# Altium PCB graviton.PcbDoc (part 10 of 15) (continued)
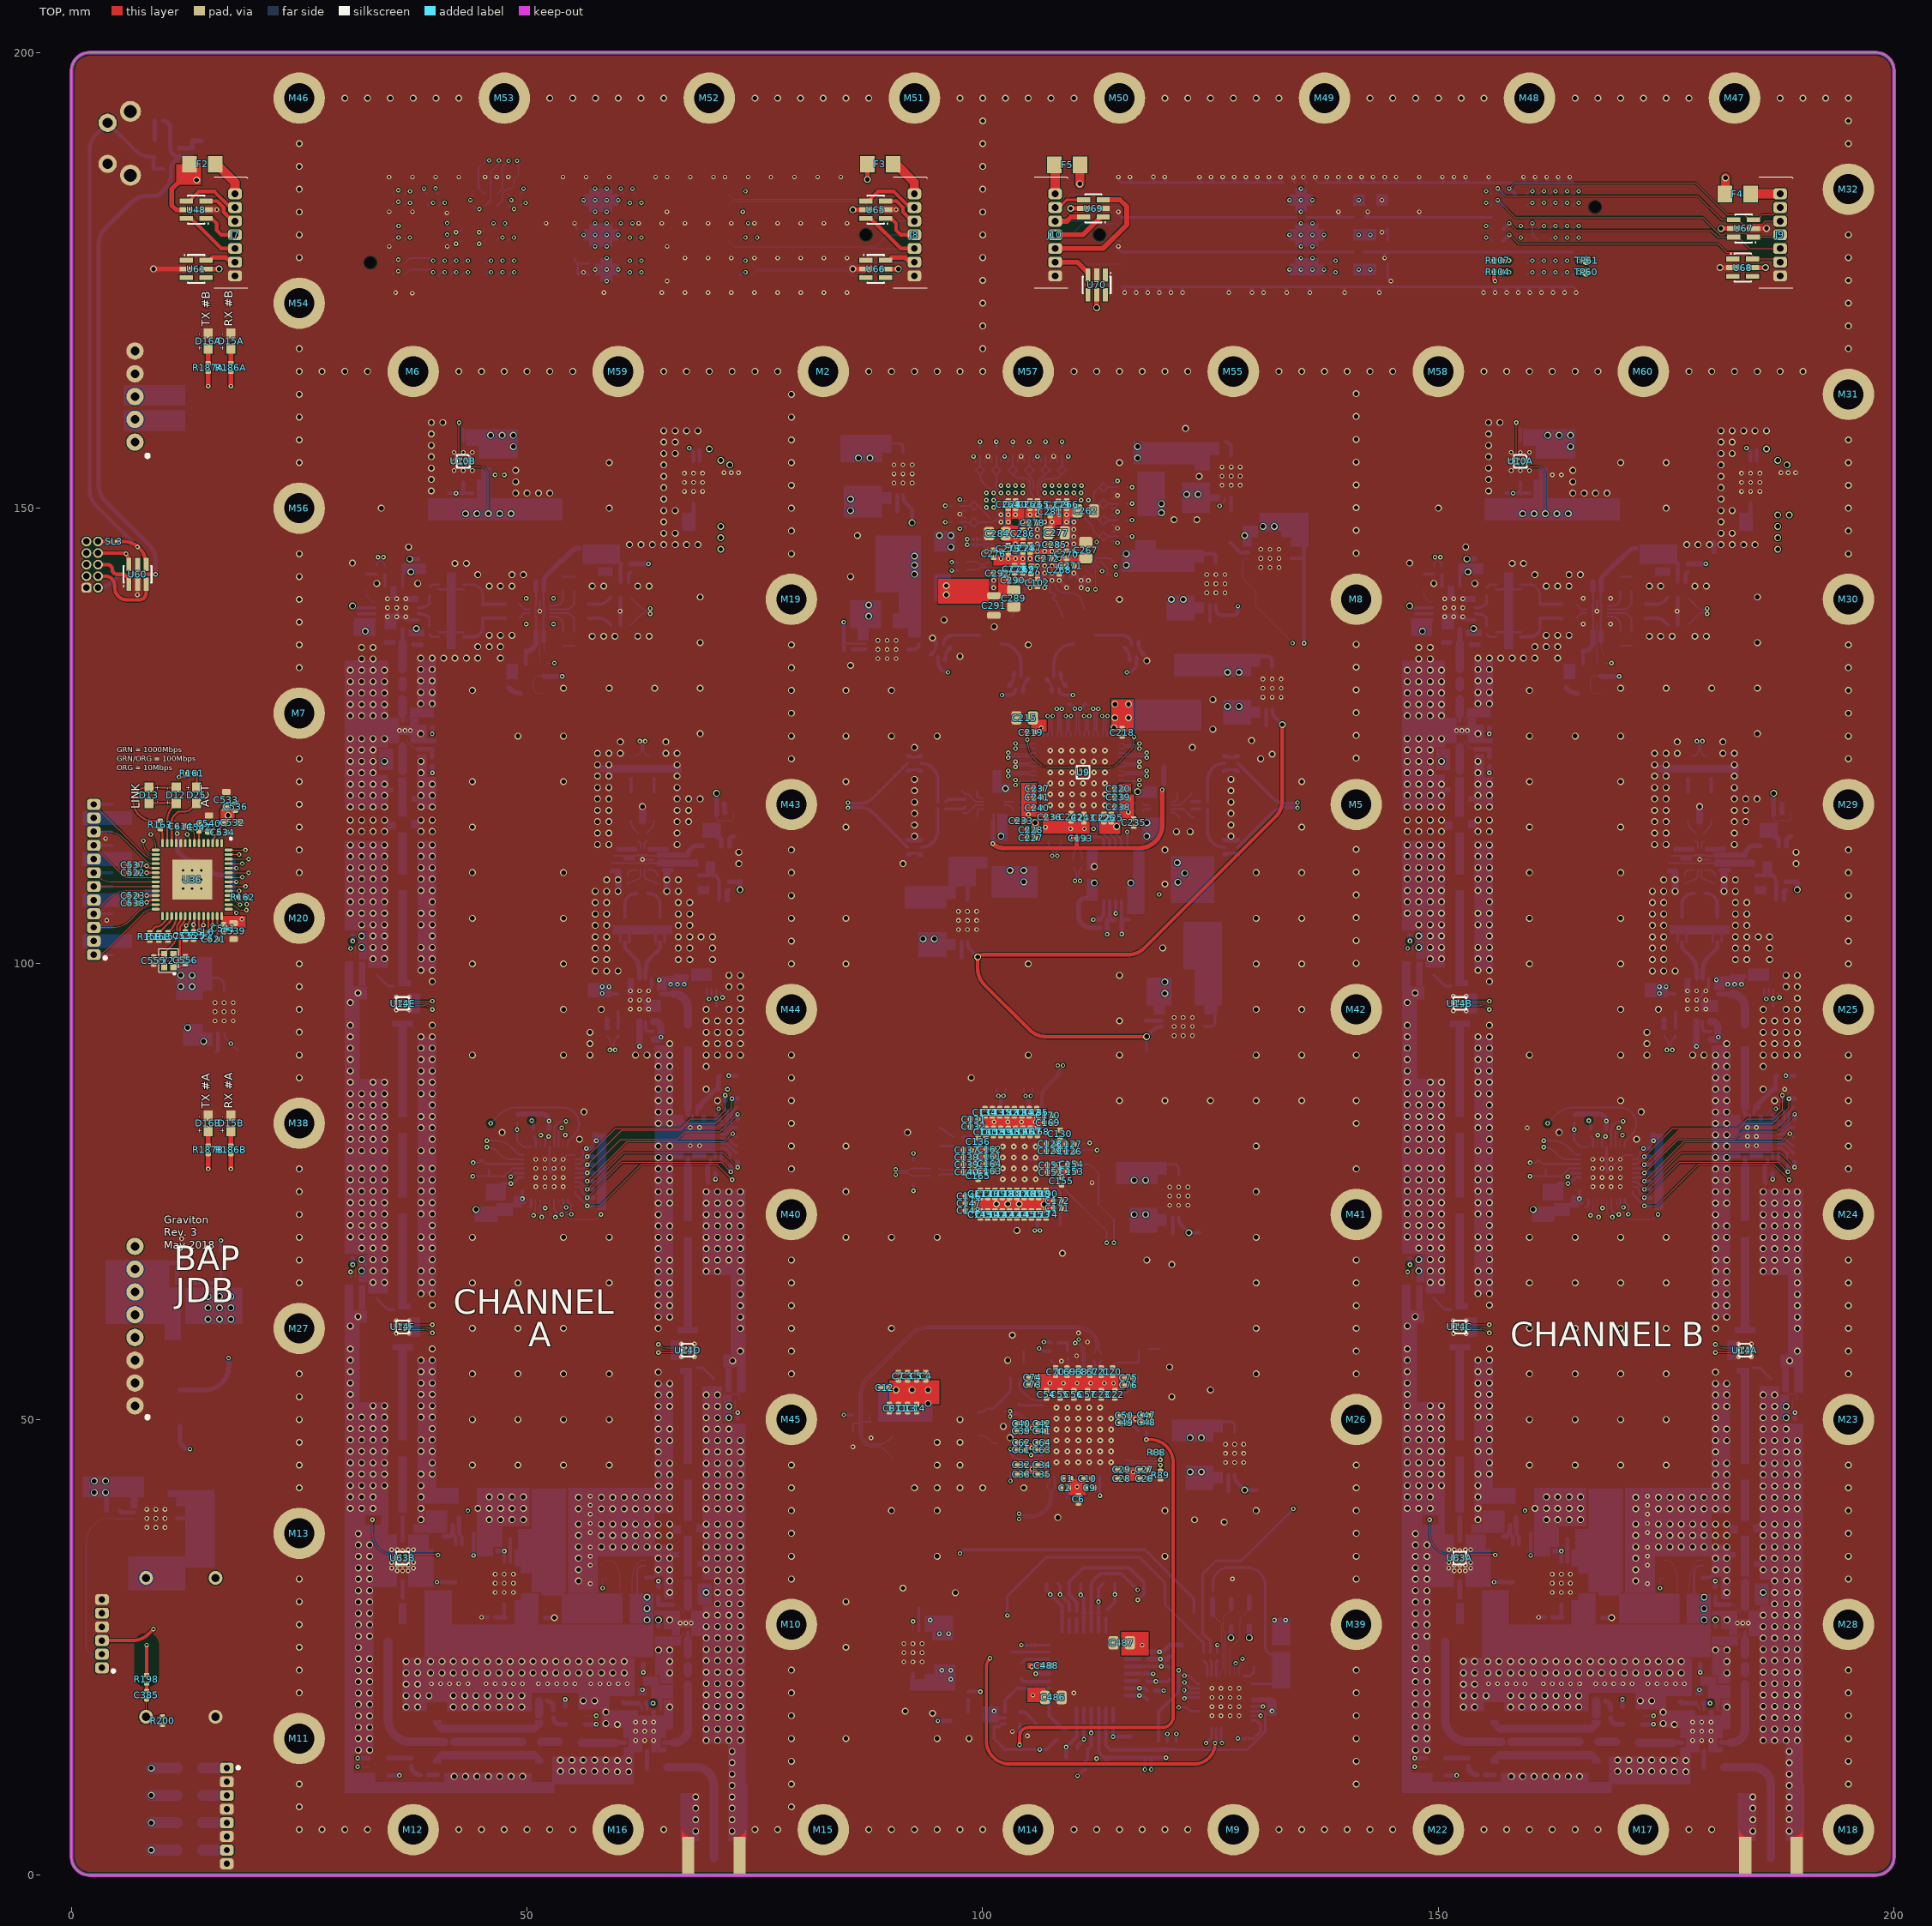
[diagram p0: TOP view]
## Nets (pads, with @x,y where several pads share a name; then routed paths per layer and width w, separated by ;. In a path a pad name is that pad's centre, name@x,y a point inside that pad or via, vN(x,y) a via of type N, cw(c..) or ccw(c..) an arc to the next point about the centre after c; other vN are vias at no path point) (continued)
NetC497B_2: C497B.2 U62B.14 | length 2.5
  BOT w0.4: U62B.14@48.15,34.375 C497B.2@48.15,36.9
NetC502A_2: C502A.2 C503A.2 L46A.2 U64A.12 | length 2.7
  BOT w0.2: L46A.2@178.225,18.87 178.225,18.8 178.65,18.375 U64A.12@178.65,18.128 U64A.12@178.65,18.118
  BOT w0.54: C503A.2@176.55,19 176.68,18.87 C502A.2@177.4,18.87 L46A.2@178.225,18.87
NetC502B_2: C502B.2 C503B.2 L46B.2 U64B.12 | length 2.7
  BOT w0.2: L46B.2@62.225,18.87 62.225,18.8 62.65,18.375 U64B.12@62.65,18.118
  BOT w0.54: C503B.2@60.55,19 60.68,18.87 C502B.2@61.4,18.87 L46B.2@62.225,18.87
NetC504A_1: C504A.1 U64A.2 | length 4.8
  BOT w0.49: 175.693,14.538 U64A.2@176.77,14.538
  BOT w0.914: C504A.1@172,14.538 175.693,14.538
NetC504A_2: C504A.2 MS1A.2 | length 2
  BOT w0.914: MS1A.2@167.543,14.638 C504A.2@169.5,14.638
NetC504B_1: C504B.1 U64B.2 | length 4.8
  BOT w0.49: 59.693,14.538 U64B.2@60.77,14.538
  BOT w0.914: C504B.1@56,14.538 59.693,14.538
NetC504B_2: C504B.2 MS1B.2 | length 2
  BOT w0.914: MS1B.2@51.543,14.638 C504B.2@53.5,14.638
NetC505A_2: C505A.2 C506A.2 D26A.2 R256A.1 U64A.16 | length 2.3
  BOT w0.29: C505A.2@180.62,18.9 180.65,18.87 U64A.16@180.65,18.128 U64A.16@180.65,18.118
  BOT w0.54: C505A.2@180.62,18.9 180.62,20.38
NetC505B_2: C505B.2 C506B.2 D26B.2 R256B.1 U64B.16 | length 2.3
  BOT w0.29: C505B.2@64.62,18.9 64.65,18.87 U64B.16@64.65,18.118
  BOT w0.54: C505B.2@64.62,18.9 64.62,20.38
NetC507A_1: C507A.1 U64A.28 | length 1.9
  BOT w0.49: C507A.1@179.15,11.757 C507A.1@179.15,11.857 U64A.28@179.15,13.447 U64A.28@179.15,13.657
NetC507B_1: C507B.1 U64B.28 | length 1.9
  BOT w0.49: C507B.1@63.15,11.757 U64B.28@63.15,13.657
NetC543_2: C543.2 C544.2 C545.2 P2.2
NetC546_2: C546.2 C547.2 C548.2 P2.5
NetC549_2: C549.2 C550.2 C551.2 P2.8
NetC552_2: C552.2 C553.2 C554.2 P2.11
NetD1_1: D1.1 R48.1 | length 1.5
  BOT w0.27: D1.1@108.5,71.35 R48.1@108.5,72.805
NetD2_1: D2.1 R49.1 | length 1.5
  BOT w0.25: D2.1@95.35,80 R49.1@96.805,80
NetD3_1: D3.1 R50.1 | length 1.8
  BOT w0.25: D3.1@95.35,82 R50.1@96.805,81
NetD12_2: D12.2 D13.1 R163.2 | length 9.4
  TOP w0.203: D13.1@8.525,119.35 8.25,119.35 ccw(c8.25,117.875) 6.775,117.875 ccw(c8.955,117.875) 8.955,115.695 R163.2@9.75,115.695 ; D13.1@8.9,119.35 D12.2@11.5,119.35
NetD15A_1: D15A.1 R186A.1 | length 1.6
  TOP w0.51: R186A.1@17.5,165.89 D15A.1@17.5,167.5
NetD15B_1: D15B.1 R186B.1 | length 1.7
  TOP w0.51: R186B.1@17.5,80 R186B.1@17.5,80.04 D15B.1@17.5,81.65
NetD16A_1: D16A.1 R187A.1 | length 1.6
  TOP w0.51: R187A.1@15,165.89 D16A.1@15,167.5
NetD16B_1: D16B.1 R187B.1 | length 1.7
  TOP w0.51: R187B.1@15,80 R187B.1@15,80.04 D16B.1@15,81.65
NetD25_1: D25.1 R161.2 | length 1.4
  TOP w0.203: D25.1@13.75,119.35 R161.2@13.75,120.75
NetF1_1: F1.1 J5.2 | length 2.2
  BOT w0.48: J5.2@2.92,141.27 ccw(c2.92,143.564) 4.542,141.942 F1.1@4.85,142.25
NetF2_1: F2.1 J7.1 | length 4.4
  TOP w1: F2.1@15.6,187.75 F2.1@15.775,187.75 15.95,187.75 17.95,185.75 J7.1@17.95,184.5
NetF3_1: F3.1 J8.1 | length 4.4
  TOP w1: F3.1@90.15,187.75 90.5,187.75 92.5,185.75 J8.1@92.5,184.5
NetF4_1: F4.1 J9.1 | length 3.3
  TOP w1: F4.1@184.25,184.475 184.275,184.5 J9.1@187.5,184.5
NetF5_1: F5.1 J10.1 | length 2.8
  TOP w1: F5.1@107.85,187.25 107.95,187.15 J10.1@107.95,184.5
NetF6_2: F6.2 J11.7 | length 2.7
  BOT w1.2: F6.2@14.4,2.75 J11.7@17.05,2.75
NetF7_2: F7.2 J11.5 | length 2.7
  BOT w1.2: F7.2@14.4,5.75 J11.5@17.05,5.75
NetF8_2: F8.2 J11.3 | length 2.7
  BOT w1.2: F8.2@14.4,8.75 J11.3@17.05,8.75
NetF9_2: F9.2 J11.1 | length 2.7
  BOT w1.2: F9.2@14.4,11.75 J11.1@17.05,11.75
NetJ5_10: J5.10 SL3.1 | length 1.4
  TOP w0.4: J5.10@2.92,146.35 SL3.1@4.335,146.35
NetL3A_2: L3A.2 R28A.2 U4A.4 U4A.5
NetL3B_2: L3B.2 R28B.2 U4B.4 U4B.5
NetL17A_2: L17A.2 L18A.1 U4A.20 U4A.21
NetL17B_2: L17B.2 L18B.1 U4B.20 U4B.21
NetMB1_2: MB1.2 Q11.3 | length 143.9
  S1 w0.1: v3(17.25,56.75) 17.756,56.244 cw(c15.96,54.448) 18.5,54.448 18.5,16.375 ccw(c21.04,16.375) 19.244,14.579 21.829,11.994 ccw(c23.625,13.79) 23.625,11.25 23.793,11.25 cw(c23.793,9.543) 24.999,10.751 25.5,10.25 ccw(c26.888,11.638) 26.888,9.675 64.638,9.675 ccw(c64.638,11.955) 66.151,10.25 ccw(c64.638,11.955) 66.25,10.343 67.24,11.333 ; 67.25,11.323 68.183,12.256 cw(c69.979,10.46) 69.979,13 72.698,13 ccw(c72.698,15.54) 74.494,13.744 76.756,16.006 cw(c78.552,14.21) 78.552,16.75 81.448,16.75 ccw(c81.448,19.29) 83.244,17.494 88.815,23.065 cw(c90.611,21.269) 90.611,23.809 95.75,23.809 cw(c95.75,22.309) 97.25,22.309 97.25,20.152 cw(c94.71,20.152) 96.506,18.356 v3(95.075,16.925)
  BOT w0.51: MB1.2@11.9,53.25 14.71,53.25 ccw(c14.71,55.79) 17.25,55.79 v3(17.25,56.75) ; v3(95.075,16.925) Q11.3@96.39,16.925
NetMS1A_4: MS1A.4 R194A.2
NetMS1A_6: MS1A.6 R191A.2
NetMS1B_4: MS1B.4 R194B.2
NetMS1B_6: MS1B.6 R191B.2
NetQ11_1: Q11.1 R252.1 | length 1.4
  BOT w0.356: Q11.1@98.39,17.875 98.39,19.255 R252.1@98.4,19.255
NetR1A_3: R1A.3 U3A.1 | length 4.1
  BOT w0.1: R1A.3@177.55,31.3 177.55,32.598 cw(c180.09,32.598) 178.294,34.394 cw(c178.791,33.897) 178.791,34.6 U3A.1@179.025,34.6
NetR1A_4: R1A.4 U3A.8 | length 4.1
  BOT w0.1: U3A.8@174.725,34.6 175.079,34.6 cw(c175.079,34.067) 175.456,34.444 cw(c173.66,32.648) 176.2,32.648 R1A.4@176.2,31.3
NetR1B_3: R1B.3 U3B.1 | length 4.1
  BOT w0.1: R1B.3@61.55,31.3 61.55,32.598 cw(c64.09,32.598) 62.294,34.394 cw(c62.791,33.897) 62.791,34.6 U3B.1@63.025,34.6
NetR1B_4: R1B.4 U3B.8 | length 4.1
  BOT w0.1: U3B.8@58.725,34.6 59.079,34.6 cw(c59.079,34.067) 59.456,34.444 cw(c57.66,32.648) 60.2,32.648 R1B.4@60.2,31.3
NetR10_1: R10.1 Y1.2 | length 2.3
  BOT w0.159: Y1.2@99.6,48.25 cw(c99.6,46.681) 100.71,47.79 101,47.5 ccw(c101.266,47.766) 101.266,47.39 R10.1@101.61,47.39
NetR14_2: R14.2 U59.22 | length 1.4
  BOT w0.4: U59.22@115.7,21.3 R14.2@117.105,21.3
NetR19_2: R19.2 U59.25 | length 1.4
  BOT w0.4: R19.2@114.3,16.895 U59.25@114.3,18.3
NetR25A_1: R25A.1 U6A.13 | length 0.9
  BOT w0.2: R25A.1@117.545,117.6 117.745,117.4 U6A.13@118.35,117.4
NetR25B_1: R25B.1 U6B.13 | length 1.2
  BOT w0.2: U6B.13@102.35,117.4 102.955,117.4 R25B.1@103.355,117
NetR27_2: R27.2 U2.H12 | length 1.3
  TOP w0.508: R27.2@105.23,143.67 R27.2@105.3,143.67 v2(106,143.67)
  BOT w0.4: v2(106,143.67) U2.H12@106.4,143.27
NetR29A_1: R29A.1 U6A.12 | length 0.9
  BOT w0.2: R29A.1@117.545,116.8 117.745,117 U6A.12@118.35,117
NetR29B_1: R29B.1 U6B.12 | length 1
  BOT w0.2: U6B.12@102.35,117.8 R29B.1@103.355,117.8
NetR38A_1: R38A.1 R41A.2 U19A.4
NetR38B_1: R38B.1 R41B.2 U19B.4
NetR47A_1: R47A.1 U54A.11 | length 1.2
  BOT w0.28: R47A.1@166.725,81.03 166.96,80.795 U54A.11@166.96,79.91
NetR47B_1: R47B.1 U54B.11 | length 1.2
  BOT w0.28: R47B.1@50.725,81.03 50.96,80.795 U54B.11@50.96,79.91
NetR58_2: R58.2 U59.19 | length 1.5
  BOT w0.4: U59.19@115.7,23.7 R58.2@117.2,23.7
NetR65A_1: R65A.1 U13A.1 | length 2.3
  BOT w0.3: U13A.1@184.615,55.693 U13A.1@184.625,55.693 ; U13A.1@184.725,55.693 185.26,55.693 R65A.1@186.48,54.473
NetR65B_1: R65B.1 U13B.1 | length 2.3
  BOT w0.3: R65B.1@149.52,98.777 150.74,97.557 U13B.1@151.275,97.557 ; U13B.1@151.375,97.557 U13B.1@151.385,97.557
NetR65C_1: R65C.1 U13C.1 | length 2.3
  BOT w0.3: R65C.1@149.52,63.277 150.74,62.057 U13C.1@151.275,62.057 ; U13C.1@151.375,62.057 U13C.1@151.385,62.057
NetR65D_1: R65D.1 U13D.1 | length 2.3
  BOT w0.3: U13D.1@68.615,55.693 U13D.1@68.625,55.693 ; U13D.1@68.725,55.693 69.26,55.693 R65D.1@70.48,54.473
NetR65E_1: R65E.1 U13E.1 | length 2.3
  BOT w0.3: R65E.1@33.52,98.777 34.74,97.557 U13E.1@35.275,97.557 ; U13E.1@35.375,97.557 U13E.1@35.385,97.557
NetR65F_1: R65F.1 U13F.1 | length 2.3
  BOT w0.3: R65F.1@33.52,63.277 34.74,62.057 U13F.1@35.275,62.057 ; U13F.1@35.375,62.057 U13F.1@35.385,62.057
NetR68_3: R68.3 U23.8 | length 4.6
  BOT w0.4: R68.3@12.925,64.975 15.725,64.975 16.4,65.65 U23.8@16.4,66.525
NetR68_4: R68.4 U23.1 | length 1.5
  BOT w0.4: R68.4@11.575,64.975 U23.1@11.575,66.5
NetR69A_1: R69A.1 U15A.26 | length 2.3
  BOT w0.3: U15A.26@187.3,82.3 187.625,82.3 187.975,82.65 187.975,83.83 R69A.1@187.75,84.055
NetR69B_1: R69B.1 U15B.26 | length 2.3
  BOT w0.3: U15B.26@71.3,82.3 71.625,82.3 71.975,82.65 71.975,83.83 R69B.1@71.75,84.055
NetR70A_1: R70A.1 U15A.27 | length 3.5
  BOT w0.3: U15A.27@187.3,81.8 187.725,81.8 188.425,82.5 188.425,83.73 R70A.1@189,84.305
NetR70B_1: R70B.1 U15B.27 | length 3.5
  BOT w0.3: U15B.27@71.3,81.8 71.725,81.8 72.425,82.5 72.425,83.73 R70B.1@73,84.305
NetR71A_1: R71A.1 U15A.28 | length 2
  BOT w0.3: U15A.28@187.3,81.3 187.8,81.3 188.555,82.055 R71A.1@189,82.055
NetR71B_1: R71B.1 U15B.28 | length 2
  BOT w0.3: U15B.28@71.3,81.3 71.8,81.3 72.555,82.055 R71B.1@73,82.055
NetR72A_1: R72A.1 U15A.29 | length 2
  BOT w0.3: U15A.29@187.3,80.8 188.1,80.8 188.845,80.055 R72A.1@189,80.055
NetR72B_1: R72B.1 U15B.29 | length 2
  BOT w0.3: U15B.29@71.3,80.8 72.1,80.8 72.845,80.055 R72B.1@73,80.055
NetR73A_1: R73A.1 U15A.30 | length 2.2
  BOT w0.3: U15A.30@187.3,80.3 187.895,80.3 R73A.1@189,79.195
NetR73B_1: R73B.1 U15B.30 | length 2.2
  BOT w0.3: U15B.30@71.3,80.3 71.895,80.3 R73B.1@73,79.195
NetR74A_1: R74A.1 U15A.31 | length 1.7
  BOT w0.3: U15A.31@187.3,79.8 187.7,79.8 188.25,79.25 R74A.1@188.25,78.695
NetR74B_1: R74B.1 U15B.31 | length 1.7
  BOT w0.3: U15B.31@71.3,79.8 71.7,79.8 72.25,79.25 R74B.1@72.25,78.695
NetR75A_1: R75A.1 U15A.32 | length 1.2
  BOT w0.3: U15A.32@187.3,79.3 187.3,78.395 R75A.1@187.5,78.195
NetR75B_1: R75B.1 U15B.32 | length 1.2
  BOT w0.3: U15B.32@71.3,79.3 71.3,78.395 R75B.1@71.5,78.195
NetR76_1: R76.1 U5.30 | length 1.7
  BOT w0.28: U5.30@125.64,21.86 125.64,23.289 cw(c126.016,23.289) R76.1@125.75,23.555
NetR77_1: R77.1 U5.29 | length 1.7
  BOT w0.28: R77.1@125,23.555 cw(c124.662,23.217) 125.14,23.217 U5.29@125.14,21.86
NetR78_1: R78.1 U5.28 | length 1.8
  BOT w0.28: R78.1@124.25,23.555 cw(c123.308,22.613) 124.64,22.613 U5.28@124.64,21.86
NetR86_1: R86.1 U1.54 | length 1.7
  BOT w0.25: U1.54@115.65,49.55 116.255,49.55 R86.1@117.055,48.75
NetR87_2: R87.2 U59.11 | length 1.4
  BOT w0.4: U59.11@110.3,26.7 R87.2@110.3,28.055
NetR90A_1: R90A.1 U31A.2 | length 1.1
  BOT w0.25: R90A.1@155.3,136.15 155.56,135.89 U31A.2@156.33,135.89
NetR90B_1: R90B.1 U31B.2 | length 1.1
  BOT w0.25: R90B.1@39.3,136.15 39.56,135.89 U31B.2@40.33,135.89
NetR91A_1: R91A.1 U32A.2 | length 1.1
  BOT w0.25: R91A.1@155.325,141.325 155.61,141.61 U32A.2@156.33,141.61
NetR91B_1: R91B.1 U32B.2 | length 1.1
  BOT w0.25: R91B.1@39.325,141.325 39.61,141.61 U32B.2@40.33,141.61
NetR116A_1: R116A.1 R119A.2 U22A.9 | length 4.5
  BOT w0.1: R116A.1@167.4,133.064 U22A.9@167.4,137.55
NetR116B_1: R116B.1 R119B.2 U22B.9 | length 4.5
  BOT w0.1: R116B.1@51.4,133.064 U22B.9@51.4,137.55
NetR117A_1: R117A.1 R120A.2 U24A.4
NetR117B_1: R117B.1 R120B.2 U24B.4
NetR134A_1: R134A.1 U30A.9 | length 1.9
  BOT w0.1: R134A.1@148.425,141.05 148.425,140.315 149.015,139.725 U30A.9@149.33,139.725
NetR134B_1: R134B.1 U30B.9 | length 1.9
  BOT w0.1: R134B.1@32.425,141.05 32.425,140.315 33.015,139.725 U30B.9@33.33,139.725
NetR138_2: R138.2 U59.15 | length 1.5
  BOT w0.4: U59.15@113.5,26.7 R138.2@113.5,28.2
NetR157_2: R157.2 U36.32 | length 2.1
  TOP w0.2: R157.2@10.6,103.445 10.86,103.705 ccw(c9.315,105.25) U36.32@11.5,105.25
NetR158_2: R158.2 U36.31 | length 2.4
  TOP w0.2: R158.2@9.6,103.445 ccw(c9.6,103.554) 9.677,103.477 10.682,104.482 ccw(c9.914,105.25) U36.31@11,105.25
NetR159_2: R159.2 U36.30 | length 2.8
  TOP w0.2: R159.2@8.6,103.445 9.152,103.997 cw(c9.4,103.75) 9.4,104.1 ccw(c9.4,104.824) 9.912,104.312 10.253,104.653 ccw(c9.655,105.25) U36.30@10.5,105.25
NetR162_2: R162.2 U36.46 | length 1.2
  TOP w0.152: U36.46@17.25,107.5 17.872,107.5 cw(c17.872,106.817) R162.2@18.355,107.3
NetR171_1: R171.1 U53.3 | length 2.1
  BOT w0.48: U53.3@9.15,190.45 R171.1@9.15,192.5
NetR190A_2: R190A.2 U57A.1 | length 1.7
  BOT w0.51: R190A.2@168.9,17.255 ccw(c169.605,17.255) 169.605,16.55 U57A.1@170.225,16.55
NetR190B_2: R190B.2 U57B.1 | length 1.7
  BOT w0.51: R190B.2@52.9,17.255 ccw(c53.605,17.255) 53.605,16.55 U57B.1@54.225,16.55
NetR195A_1: R195A.1 U58A.1 | length 2.5
  BOT w0.51: U58A.1@150.775,12.845 R195A.1@153.3,12.845
NetR195B_1: R195B.1 U58B.1 | length 2.5
  BOT w0.51: U58B.1@34.775,12.845 R195B.1@37.3,12.845
NetR196_2: R196.2 U59.10 | length 1.4
  BOT w0.4: U59.10@109.5,26.7 R196.2@109.5,28.08
NetR197_2: R197.2 U59.29 | length 1.5
  BOT w0.4: R197.2@111.1,16.8 U59.29@111.1,18.3
NetR242_2: R242.2 U59.18 | length 1.5
  BOT w0.4: U59.18@115.7,24.5 R242.2@117.2,24.5
NetR253A_1: R253A.1 R255A.2 U62A.3 | length 2.5
  BOT w0.4: U62A.3@163.5,29.725 163.5,28.395 ccw(c163.595,28.395) R253A.1@163.595,28.3
  BOT w0.51: R255A.2@162.545,28.3 R253A.1@163.595,28.3
NetR253B_1: R253B.1 R255B.2 U62B.3 | length 2.5
  BOT w0.4: U62B.3@47.5,29.725 47.5,28.395 ccw(c47.595,28.395) R253B.1@47.595,28.3
  BOT w0.51: R255B.2@46.545,28.3 R253B.1@47.595,28.3
NetSL6_2: SL6.2 U36.39 | length 1.8
  TOP w0.203: U36.39@15,105.25 cw(c14.916,105.166) 15.035,105.166 SL6.2@15.035,103.5
NetSL7_1: SL7.1 U59.8 | length 1.5
  BOT w0.28: SL7.1@105.835,25.25 107.25,25.25 U59.8@107.3,25.3
NetSL8_1: SL8.1 U59.9 | length 1.5
  BOT w0.4: U59.9@108.7,26.7 SL8.1@108.7,28.2
NetSL9_1: SL9.1 U59.14 | length 1.5
  BOT w0.4: U59.14@112.7,26.7 SL9.1@112.7,28.2
NetSL11_1: SL11.1 U59.27 | length 1.5
  BOT w0.4: SL11.1@112.75,16.873 U59.27@112.75,18.335
NetSL12_1: SL12.1 U59.13 | length 1.5
  BOT w0.4: U59.13@111.9,26.7 SL12.1@111.9,28.2
NetSL15_1: SL15.1 U59.20 | length 1.5
  BOT w0.4: U59.20@115.7,22.9 SL15.1@117.2,22.9
NetSL16_1: SL16.1 U59.21 | length 1.5
  BOT w0.4: U59.21@115.7,22.1 SL16.1@117.2,22.1
NetSL19_1: SL19.1 U59.12 | length 1.5
  BOT w0.4: U59.12@111.1,26.7 SL19.1@111.1,28.2
NetSL21_1: SL21.1 U59.26 | length 1.5
  BOT w0.4: SL21.1@113.5,16.8 SL21.1@113.5,16.837 U59.26@113.5,18.3
NetSL23_1: SL23.1 U59.28 | length 1.5
  BOT w0.4: SL23.1@111.9,16.8 SL23.1@111.9,16.837 U59.28@111.9,18.3
NetSL25_1: SL25.1 U59.30 | length 1.5
  BOT w0.4: SL25.1@110.3,16.8 SL25.1@110.3,16.837 U59.30@110.3,18.3
NetSL26_1: SL26.1 U59.2 | length 1.5
  BOT w0.4: SL26.1@105.835,20.5 U59.2@107.3,20.5
NetTP2_1: TP2.1 U59.6 | length 3.2
  BOT w0.28: TP2.1@104.25,23.25 104.7,23.7 U59.6@107.3,23.7
NetTP3_1: TP3.1 U59.7 | length 4.1
  BOT w0.28: TP3.1@103.25,24.5 U59.7@107.3,24.5
NetTP15_1: TP15.1 U59.3 | length 3.2
  BOT w0.4: TP15.1@104.25,21.5 104.5,21.25 107.25,21.25 U59.3@107.3,21.3
NetTP33_1: TP33.1 U1.48 | length 3.2
  BOT w0.25: U1.48@114.85,52.85 115.1,52.85 ccw(c115.1,54.75) TP33.1@117,54.75
NetTP34_1: TP34.1 U1.31 | length 2.8
  BOT w0.25: TP34.1@104,51.75 104,51.55 U1.31@106.55,51.55
NetTP53_1: TP53.1 U21.21 | length 11.2
  S1 w0.25: v2(112.15,114.821) 119.346,107.625 v2(119.35,107.625)
  BOT w0.25: v2(112.15,114.821) U21.21@112.15,115.85
NetU1_37: C387.1 U1.37 | length 3.9
  BOT w0.25: U1.37@109.35,52.85 109.35,56.67 C387.1@109.35,56.759
NetU8_11: U8.11 U21.22 | length 4.4
  BOT w0.25: U21.22@111.65,115.85 111.65,114.45 112.175,113.925 112.975,113.925 113.275,113.625 U8.11@113.275,112.625
NetU8_12: U8.12 U21.20 | length 3.8
  BOT w0.25: U21.20@112.65,115.85 112.65,114.875 113.925,113.6 U8.12@113.925,112.625
NetU8_13: U8.13 U21.19 | length 3.8
  BOT w0.25: U21.19@113.15,115.85 113.15,115.05 114.575,113.625 U8.13@114.575,112.625
NetU8_14: U8.14 U21.18 | length 3.9
  BOT w0.25: U21.18@113.65,115.85 113.65,115.2 115.225,113.625 U8.14@115.225,112.625
OC_ON_38: J1.2 R139.1 U33.13 | length 20.4
  BOT w0.098: J1.2@3.35,24.25 2.5,24.25 cw(c2.5,25.1) 1.65,25.1 1.65,36.61 cw(c4.19,36.61) 4.19,39.15 U33.13@6.925,39.15
OSC8_1: U38.1 U50.3 | length 2.3
  BOT w0.35: U38.1@104.05,17.9 104.625,17.9 U50.3@105.865,16.66
OSC8_EN_2: R85.1 SL16.2 U38.4 U50.1 | length 33
  S1 w0.098: v2(106.254,13.8) 108.352,11.702 113.365,11.702 115.598,13.935 115.598,20.735 116.963,22.1 v3(118.7,22.1)
  BOT w0.35: U38.4@102.45,16.6 102.1,16.6 101.805,16.305 R85.1@101.25,16.305 101.25,15 102.479,13.771 106.225,13.771 v2(106.254,13.8) 107.05,13.8 108.09,14.84 U50.1@108.135,14.84
  BOT w0.4: SL16.2@117.82,22.1 v3(118.7,22.1)
P_INA: U54A.32 U58A.5 | length 82.6
  S1 w0.1: v2(147.4,11.895) 163.595,11.895 ccw(c163.595,14.435) 166.135,14.435 166.135,67.675 cw(c168.272,67.675) 166.761,69.186 168.775,71.2 ccw(c167.99,71.985) 169.1,71.985 v2(169.1,72.2)
  BOT w0.1: v2(147.4,11.895) U58A.5@148.625,11.895 ; U54A.32@168.46,74.19 168.46,73.121 ccw(c169.621,73.121) 168.8,72.3 168.9,72.2 v2(169.1,72.2)
P_INB: U54B.32 U58B.5 | length 82.6
  S1 w0.1: v2(31.4,11.895) 47.595,11.895 ccw(c47.595,14.435) 50.135,14.435 50.135,67.675 cw(c52.272,67.675) 50.761,69.186 52.775,71.2 ccw(c51.99,71.985) 53.1,71.985 v2(53.1,72.2)
  BOT w0.1: v2(31.4,11.895) U58B.5@32.625,11.895 ; U54B.32@52.46,74.19 52.46,73.121 ccw(c53.621,73.121) 52.8,72.3 52.9,72.2 v2(53.1,72.2)
P_OUTA: U54A.28 U57A.5 | length 62.6
  S1 w0.1: v2(170.85,72.525) 170.775,72.525 170.7,72.6 cw(c170.45,72.6) 170.627,72.424 169.502,71.298 ccw(c170.3,70.393) 169.446,71.246 168.868,70.668 ccw(c169.636,69.9) 168.55,69.9 168.55,40.905 ccw(c170.192,40.905) 169.031,39.744 cw(c167.235,37.948) 169.775,37.948 169.775,19.175 ccw(c171.45,19.175) 171.45,17.5 v2(173.6,17.5)
  BOT w0.1: U57A.5@172.375,17.5 v2(173.6,17.5)
  BOT w0.2: U54A.28@170.46,74.19 170.46,73.89 170.85,73.5 v2(170.85,72.525)
P_OUTB: U54B.28 U57B.5 | length 62.6
  S1 w0.1: v2(54.85,72.525) 54.775,72.525 54.7,72.6 cw(c54.45,72.6) 54.627,72.424 53.502,71.298 ccw(c54.3,70.393) 53.446,71.246 52.868,70.668 ccw(c53.636,69.9) 52.55,69.9 52.55,40.905 ccw(c54.192,40.905) 53.031,39.744 cw(c51.235,37.948) 53.775,37.948 53.775,19.175 ccw(c55.45,19.175) 55.45,17.5 v2(57.6,17.5)
  BOT w0.1: U57B.5@56.375,17.5 v2(57.6,17.5)
  BOT w0.2: U54B.28@54.46,74.19 54.46,73.89 54.85,73.5 v2(54.85,72.525)
PA0_2: R252.2 | length 1.3
  BOT w0.356: R252.2@98.4,20.145 v2(99.745,20.145)
PA_ENA: R254A.1 U54A.13 U62A.13 | length 53
  S1 w0.1: v2(163.5,35.55) 163.825,35.875 163.825,69.625 cw(c165,69.625) 165,70.8 167.309,70.8 ccw(c167.309,72.166) 168.275,71.2 ccw(c167.43,72.045) 168.625,72.045 168.625,72.398 cw(c169.354,72.398) 168.839,72.914 ccw(c168.57,73.183) 168.95,73.183 168.95,74.521 ccw(c167.821,74.521) 168.619,75.319 cw(c168.772,75.472) 168.556,75.472 168.556,80.815 ccw(c168.365,80.815) 168.5,80.95 168.375,81.075 v2(168.35,81.075)
  BOT w0.2: U54A.13@167.96,79.91 167.96,80.61 168.4,81.05 168.375,81.075 v2(168.35,81.075)
  BOT w0.4: U62A.13@163.5,34.375 v2@163.5,35.5
  BOT w0.51: R254A.1@162.745,35.55 v2(163.5,35.55)
PA_ENB: R254B.1 U54B.13 U62B.13 | length 53
  S1 w0.1: v2(47.5,35.55) 47.825,35.875 47.825,69.625 cw(c49,69.625) 49,70.8 51.309,70.8 ccw(c51.309,72.166) 52.275,71.2 ccw(c51.43,72.045) 52.625,72.045 52.625,72.398 cw(c53.354,72.398) 52.839,72.914 ccw(c52.57,73.183) 52.95,73.183 52.95,74.521 ccw(c51.821,74.521) 52.619,75.319 cw(c52.772,75.472) 52.556,75.472 52.556,80.815 ccw(c52.365,80.815) 52.5,80.95 52.375,81.075 v2(52.35,81.075)
  BOT w0.2: U54B.13@51.96,79.91 51.96,80.61 52.4,81.05 52.375,81.075 v2(52.35,81.075)
  BOT w0.4: U62B.13@47.5,34.375 v2@47.5,35.5
  BOT w0.51: R254B.1@46.745,35.55 v2(47.5,35.55)
PARITY_T_27_N: R234.1 R235.1 R236.2 U2.P5 | length 6.5
  BOT w0.178: U2.P5@111.2,148.87 111.98,148.09 cw(c111.69,147.8) 112.1,147.8 ccw(c112.691,147.8) 112.273,147.382 112.755,146.9 ; R234.1@114.855,146.9 113.755,146.9 ; 112.755,146.9 R235.1@113.255,147.4 113.755,146.9 ; 112.755,146.9 R236.2@113.255,146.4 113.755,146.9
PARITY_T_27_P: R231.1 R232.1 R233.2 U2.N5 | length 6.6
  BOT w0.159: U2.N5@110.465,148.935 cw(c111.3,148.101) 111.3,149.281 111.352,149.281 cw(c111.352,147.297) 112.755,148.7
  BOT w0.178: U2.N5@110.4,148.87 U2.N5@110.465,148.935 ; R231.1@114.855,148.7 113.755,148.7 ; 113.755,148.7 R232.1@113.255,148.2 112.755,148.7 R233.2@113.255,149.2 113.755,148.7
PRE_RX_ENA: R64B.2 R64C.2 U12B.2 U12C.2 U54A.18 | length 91.6
  S1 w0.098: v2(146.876,102.5) ccw(c146.876,101.524) 145.9,101.524 145.9,67.976 ccw(c146.876,67.976) v2(146.876,67) cw(c146.876,66.704) 147.172,66.704 147.172,64.315 ccw(c149.712,64.315) 149.712,61.775 155.5,61.775 ccw(c155.5,63.85) 157.575,63.85 157.575,77.023 cw(c160.115,77.023) 158.319,78.819 v2(162,82.5)
  BOT w0.1: v2(146.876,67) 147.17,66.706 U12C.2@147.17,65.55 ; v2(146.876,102.5) 147.17,102.206 U12B.2@147.17,101.05 ; U12C.2@147.195,65.55 U12C.2@147.2,65.545 ; U12B.2@147.195,101.05 U12B.2@147.2,101.045
  BOT w0.2: v2(162,82.5) 163.006,83.506 cw(c164.802,81.71) 164.802,84.25 169.872,84.25 cw(c169.872,82.422) 171.7,82.422 cw(c170.078,82.422) 171.225,81.275 171.225,81.256 170.46,80.491 U54A.18@170.46,79.91
  BOT w0.51: v2@146.85,67.026 R64C.2@146.85,67.655 ; v2@146.85,102.526 R64B.2@146.85,103.155
PRE_RX_ENB: R64E.2 R64F.2 U12E.2 U12F.2 U54B.18 | length 91.6
  S1 w0.098: v2(30.876,102.5) ccw(c30.876,101.524) 29.9,101.524 29.9,67.976 ccw(c30.876,67.976) v2(30.876,67) cw(c30.876,66.704) 31.172,66.704 31.172,64.315 ccw(c33.712,64.315) 33.712,61.775 39.5,61.775 ccw(c39.5,63.85) 41.575,63.85 41.575,77.023 cw(c44.115,77.023) 42.319,78.819 v2(46,82.5)
  BOT w0.1: v2(30.876,67) 31.17,66.706 U12F.2@31.17,65.55 ; v2(30.876,102.5) 31.17,102.206 U12E.2@31.17,101.05 ; U12F.2@31.195,65.55 U12F.2@31.2,65.545 ; U12E.2@31.195,101.05 U12E.2@31.2,101.045
  BOT w0.2: v2(46,82.5) 47.006,83.506 cw(c48.802,81.71) 48.802,84.25 53.872,84.25 cw(c53.872,82.422) 55.7,82.422 cw(c54.078,82.422) 55.225,81.275 55.225,81.256 54.46,80.491 U54B.18@54.46,79.91
  BOT w0.51: v2@30.85,67.026 R64F.2@30.85,67.655 ; v2@30.85,102.526 R64E.2@30.85,103.155
PRE_TX_ENA: R64A.2 U12A.2 U54A.17 | length 50.5
  S1 w0.1: v2(170.2,81.2) 170.2,81.1 cw(c170.8,81.1) 170.8,81.7 172.5,81.7 cw(c172.5,81.1) 173.1,81.1 173.1,73.4 ccw(c175.273,73.4) 173.736,71.864 173.833,71.767 cw(c172.766,70.7) 174.275,70.7 174.275,58.59 ccw(c176.815,58.59) 176.815,56.05 186.31,56.05 cw(c186.31,53.51) 188.85,53.51 188.85,51.024 ccw(c189.124,51.024) v2(189.124,50.75)
  BOT w0.1: U54A.17@169.96,79.91 169.96,80.521 cw(c170.779,80.521) 170.2,81.1 v2(170.2,81.2) ; U12A.2@188.8,52.205 U12A.2@188.805,52.2 ; U12A.2@188.83,52.2 188.83,51.044 v2(189.124,50.75)
  BOT w0.51: R64A.2@189.124,50.121 v2(189.124,50.75)
PRE_TX_ENB: R64D.2 U12D.2 U54B.17 | length 57.4
  S1 w0.1: v2(54.2,81.2) 54.2,81.1 cw(c54.8,81.1) 54.8,81.7 56.5,81.7 cw(c56.5,81.1) 57.1,81.1 57.1,73.4 ccw(c59.273,73.4) 57.736,71.864 57.833,71.767 cw(c56.766,70.7) 58.275,70.7 58.275,58.59 ccw(c60.815,58.59) 60.815,56.05 70.31,56.05 ; 70.31,56.05 cw(c70.31,53.51) 72.85,53.51 ; 70.31,56.05 cw(c70.31,53.51) 72.85,53.51 ; 72.85,51.024 ccw(c73.124,51.024) v2(73.124,50.75) cw(c73.124,51.024) 72.85,51.024 ; 72.85,51.024 72.85,53.51 ; 72.85,51.024 72.85,53.51
  BOT w0.1: U54B.17@53.96,79.91 53.96,80.521 cw(c54.779,80.521) 54.2,81.1 v2(54.2,81.2) ; U12D.2@72.8,52.205 U12D.2@72.805,52.2 ; U12D.2@72.83,52.2 72.83,51.044 v2(73.124,50.75)
  BOT w0.51: R64D.2@73.124,50.121 v2(73.124,50.75)
R1A: C351A.2 C352A.1 R126A.2 U55A.1
R1B: C351C.2 C352C.1 R126C.2 U55C.1
R2A: C256A.1 U55A.3
R2B: C256D.1 U55C.3
R3A: C257A.2 C261A.2 U15A.7 | length 1.4
  BOT w0.49: 183.65,77.793 U15A.7@183.65,78.65
  BOT w0.914: 183.65,77.265 183.65,77.793
R3B: C257D.2 C261D.2 U15B.7 | length 1.4
  BOT w0.49: 67.65,77.793 U15B.7@67.65,78.65
  BOT w0.914: 67.65,77.265 67.65,77.793
R5A: C366A.2 U15A.18 | length 1.4
  BOT w0.49: U15A.18@183.65,83.45 183.65,84.307
  BOT w0.914: 183.65,84.307 183.65,84.835
R5B: C366B.2 U15B.18 | length 1.4
  BOT w0.49: U15B.18@67.65,83.45 67.65,84.307
  BOT w0.914: 67.65,84.307 67.65,84.835
REGCAP1_32: C521.1 U36.37 | length 3.4
  TOP w0.2: U36.37@14,105.25 14,103.483 ccw(c14.683,103.483) 14.2,103 ccw(c14.924,103.724) 14.924,102.7 C521.1@15.17,102.7
REGCAP2_32: C521.2 U36.41 | length 2.6
  TOP w0.2: U36.41@16,105.25 cw(c15.928,105.178) 16.03,105.178 C521.2@16.03,102.7
RF3A: C507A.2 J2.1 | length 14.2
  BOT w0.914: C507A.2@181.4,11.857 184.5,11.857 cw(c184.5,9.857) 186.5,9.857 J2.1@186.5,1.9
RF3B: C507B.2 J3.1 | length 14.2
  BOT w0.914: C507B.2@65.4,11.857 68.5,11.857 cw(c68.5,9.857) 70.5,9.857 J3.1@70.5,1.9
RGMII.CONFIG_2: J4.316 U36.15 | length 142.9
  TOP w0.102: v3(8.7,114.2) cw(c7.372,112.872) 9.25,112.872 U36.15@9.25,112.5
  S2 w0.098: v3(8.7,114.2) 8.602,114.298 8.602,163.554 20.127,175.079 20.127,185.079 23.971,188.923 73.929,188.923 75.948,186.904 75.948,182.955 v3(74.262,181.27)
  BOT w0.102: v3(74.262,181.27) 74.262,180.978 J4.316@74.605,180.635
RGMII.MDC_2: J4.309 U36.7 | length 133.7
  TOP w0.102: v3(13.2,114.8) cw(c12.476,114.076) 13.5,114.076 U36.7@13.5,113.25
  S2 w0.098: v3(13.2,114.8) 9.307,118.693 9.307,139.984 10.377,141.054 10.377,164.332 20.832,174.787 20.832,184.787 23.02,186.975 71.783,186.975 v3(73.97,184.788)
  BOT w0.102: J4.309@73.335,184.445 73.678,184.788 v3(73.97,184.788)
RGMII.MDIO_2: J4.308 R165.1 U36.8 | length 142.2
  TOP w0.102: v3(12.7,114.2) cw(c11.976,113.476) 13,113.476 U36.8@13,113.25
  S2 w0.098: v3(12.7,114.2) 8.955,117.945 8.955,140.13 10.025,141.2 10.025,164.478 20.48,174.933 20.48,184.933 24.117,188.57 73.783,188.57 75.595,186.758 75.595,184.457 v3(73.678,182.54)
  BOT w0.102: R165.1@12.49,113.3 12.49,113.693 cw(c13.207,113.693) v3(12.7,114.2) ; J4.308@73.335,183.175 73.678,182.832 v3(73.678,182.54)
RGMII.RESETN_2: J4.315 U36.16 | length 146.7
  TOP w0.102: v3(7.9,113.5) 7.9,113.124 ccw(c8.924,113.124) 8.2,112.4 ccw(c9.166,113.366) 9.166,112 U36.16@9.25,112
  S2 w0.098: v3(7.9,113.5) 8.25,113.85 8.25,163.7 19.775,175.225 19.775,185.225 23.825,189.275 74.075,189.275 76.3,187.05 76.3,180.768 v3(75.24,179.708)
  BOT w0.102: J4.315@74.605,179.365 74.948,179.708 v3(75.24,179.708)
RGMII.RXCLK_2: J4.216 R162.1 | length 115.5
  TOP w0.102: R162.1@19.245,107.3 v3(19.245,106.533) ccw(c19.433,106.533) v3@19.3,106.4
  S2 w0.098: v3(19.245,106.533) 19.355,106.533 21.985,109.163 21.985,121.86 24.55,124.425 26.6,124.425 28.1,125.925 28.1,145.275 33.525,150.7 42.275,150.7 42.319,150.7 ccw(c42.319,150.852) 42.47,150.852 42.47,150.929 cw(c42.622,150.929) 42.622,151.081 42.925,151.081 cw(c42.925,150.929) 43.077,150.929 43.077,150.7 43.077,150.471 ccw(c43.228,150.471) 43.228,150.319 43.532,150.319 ccw(c43.532,150.471) 43.683,150.471 43.683,150.7 43.683,150.929 cw(c43.835,150.929) 43.835,151.081 44.138,151.081 cw(c44.138,150.929) 44.29,150.929 44.29,150.7 44.29,150.471 ccw(c44.441,150.471) 44.441,150.319 44.744,150.319 ccw(c44.744,150.471) 44.896,150.471 44.896,150.7 44.896,150.929 cw(c45.048,150.929) 45.048,151.081 45.351,151.081 cw(c45.351,150.929) 45.503,150.929 45.503,150.7 45.503,150.471 ccw(c45.654,150.471) 45.654,150.319 45.957,150.319 ccw(c45.957,150.471) 46.109,150.471 46.109,150.7 46.109,150.929 cw(c46.261,150.929) 46.261,151.081 46.564,151.081 cw(c46.564,150.929) 46.715,150.929 46.715,150.7 46.715,150.471 ccw(c46.867,150.471) 46.867,150.319 47.17,150.319 ccw(c47.17,150.471) 47.322,150.471 47.322,150.548 cw(c47.473,150.548) 47.473,150.7 47.625,150.7 52.55,150.7 53.375,151.525 53.375,167.506 56.989,171.12 59.992,171.12 64.033,175.161 64.033,179.49 62.921,180.602 62.23,180.602 v3(61.562,181.27)
  BOT w0.102: v3(61.562,181.27) 61.562,180.978 J4.216@61.905,180.635
RGMII.RXCTRL_2: J4.218 U36.43 | length 115.8
  TOP w0.102: U36.43@17.25,106 cw(c17.25,104.914) 18.018,105.682 v3(18.1,105.6)
  S2 w0.098: v3(18.1,105.6) 18.191,105.509 19.362,105.509 22.69,108.837 22.69,121.568 24.842,123.72 26.892,123.72 28.805,125.633 28.805,144.983 31.767,147.945 52.467,147.945 54.08,149.558 54.08,167.214 57.281,170.415 60.284,170.415 64.738,174.869 64.738,180.287 62.54,182.485 v3(62.54,183.518)
  BOT w0.102: J4.218@61.905,183.175 62.248,183.518 v3(62.54,183.518)